# Altium PCB 大风车第二版.PcbDoc (part 2 of 2)
Units mil, origin at the board's own origin, x right, y up, seen from the top; angles counter-clockwise.
Board outline 3937.01 x 3937.01 mil, 2 copper layers (Top Layer, Bottom Layer); 147 components, 109 nets, 496 pads, 837 vias.
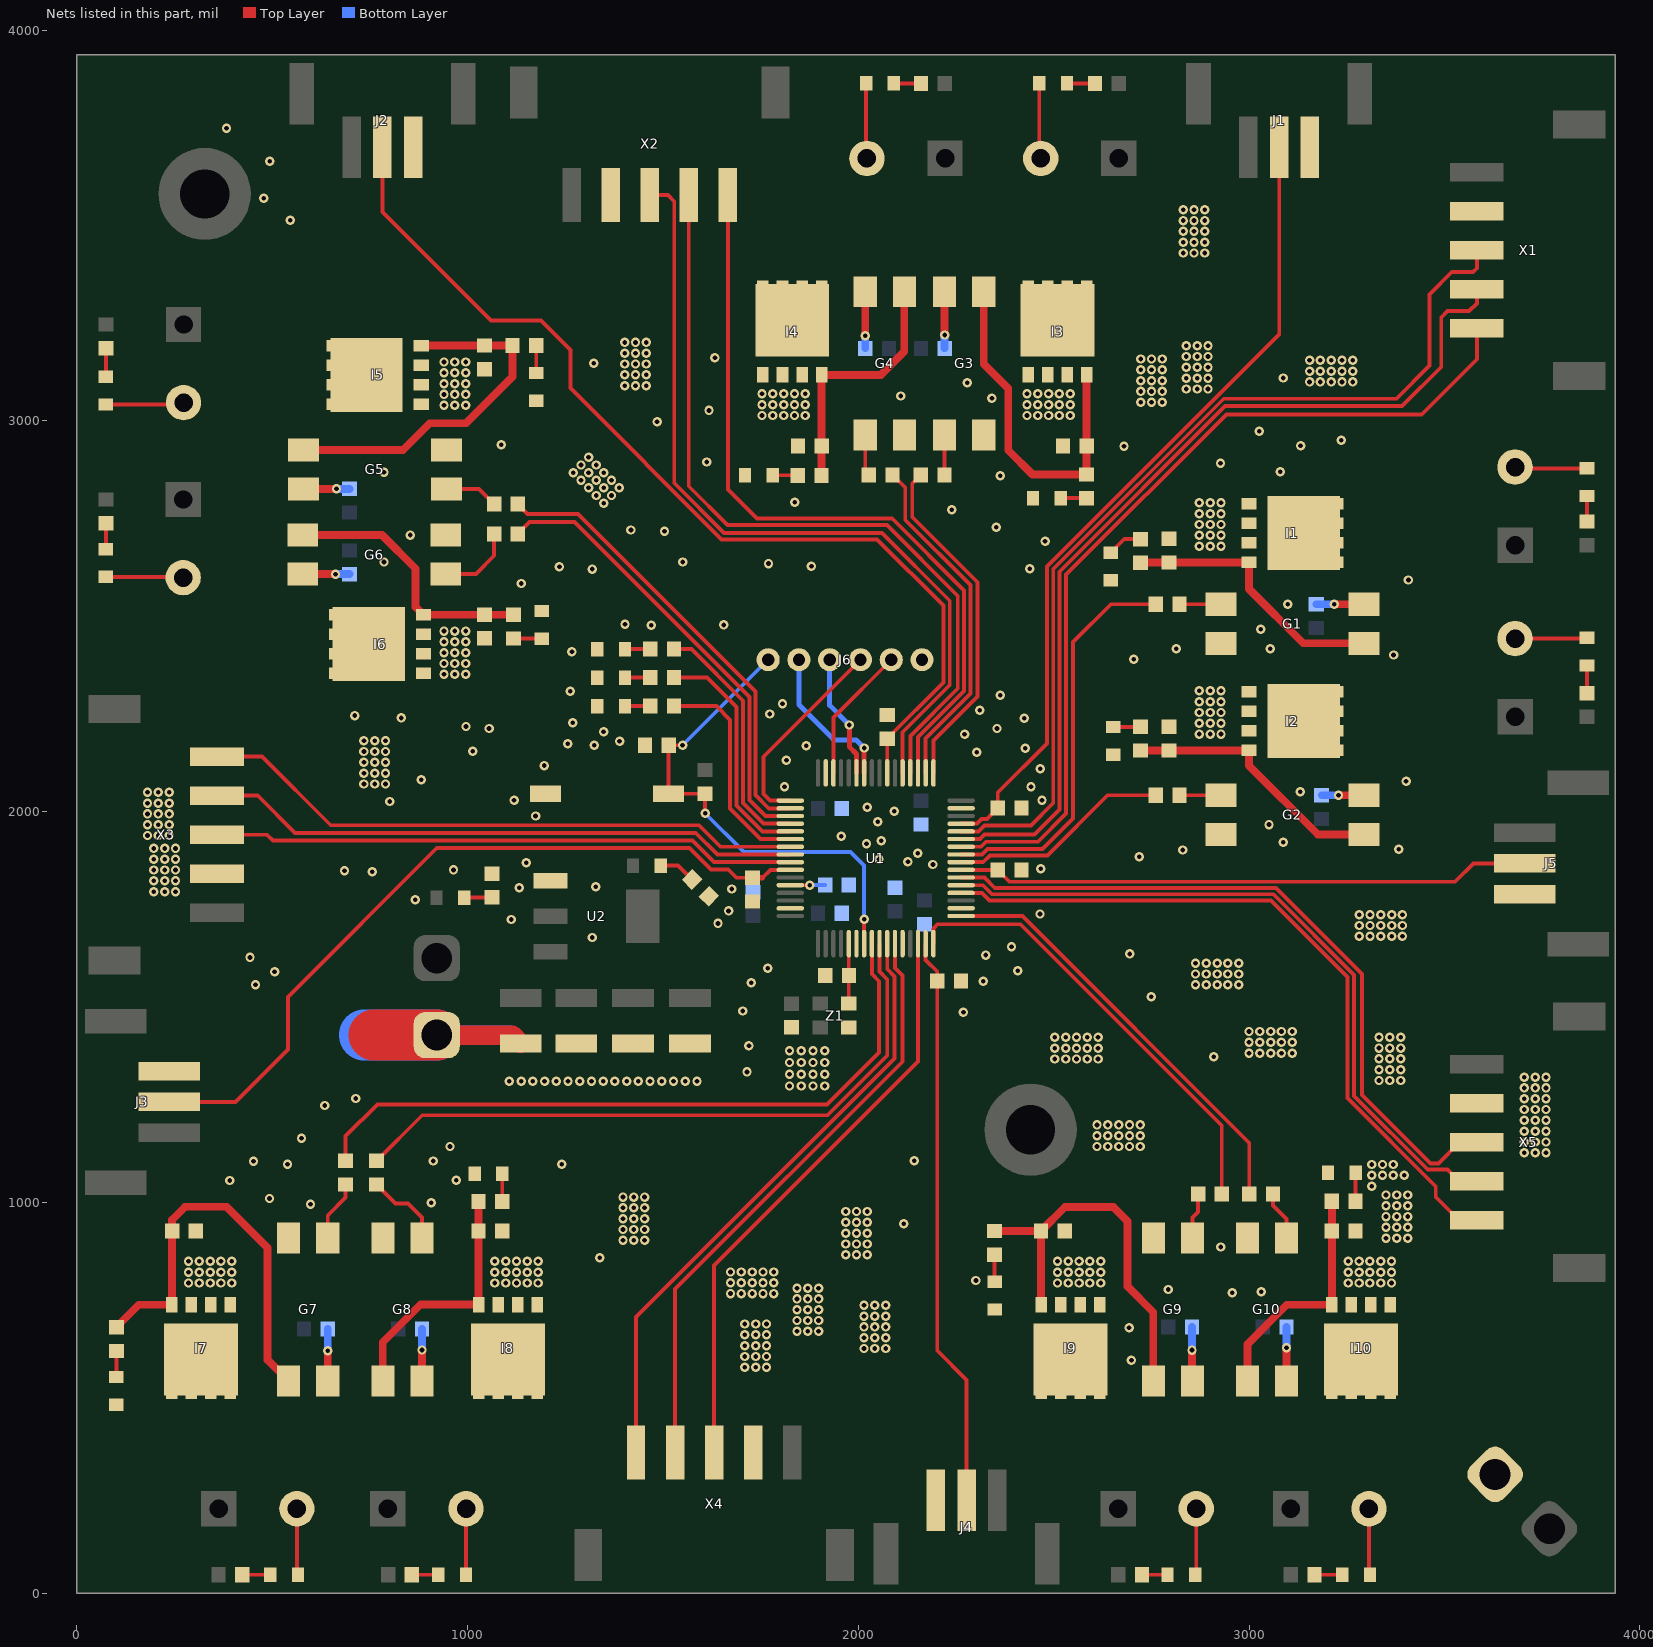
[diagram p2: the nets of this part, all layers, seen from the top]

## Via types
v1: diameter 24, hole 12, Top Layer to Bottom Layer, tented both sides, 834 vias
v2: diameter 48, hole 24, Top Layer to Bottom Layer, tented both sides, 3 vias

## Nets (pads, with @x,y where several pads share a name; then routed paths per layer and width w, separated by ;. In a path a pad name is that pad's centre, name@x,y a point inside that pad or via, vN(x,y) a via of type N, cw(c..) or ccw(c..) an arc to the next point about the centre after c; other vN are vias at no path point) (continued)
GND: C1.2 C2.2 C3.2 C4.1 C5.1 C6.1 C7.1 C8.1 C9.1 C10.2 C11.2 C12.2 C18.1 C19.1 C20.1 C21.1 C22.1 C23.1 D3.2 D4.2 D5.2 D6.2 D7.2 D8.2 D9.2 D10.2 D11.2 D12.2 D14.2 D15.2 D23.2 G1.2 G2.2 G3.2 G4.2 G5.2 G6.2 G7.2 G8.2 G9.2 G10.2 I1.S I2.S I3.S I4.S I5.S I6.S I7.S I8.S I9.S I10.S J1.3 J2.3 J3.3 J4.3 J5.3 J6.1 P1.2 P2.2 R1.2 R2.1 R3.2 R14.1 R15.1 R22.1 R23.1 R27.1 R31.1 R38.1 R39.1 R46.1 R47.1 U1.6 U1.12 U1.18 U1.31 U1.47 U1.63 U2.1 X1.2 X2.2 X3.2 X4.2 X5.2 Y1.1 Z1.2 | length 766.8
  Top Layer w50: P1.2@921.03,1428.24 1114.69,1428.24 C4.1@1136,1406.93
  Top Layer w130: 760.76,1428.24 P1.2@921.03,1428.24
  Bottom Layer w50: P1.2@921.03,1428.24 1107.76,1428.24 1115.01,1421
  Bottom Layer w130: 735.25,1428.24 P1.2@921.03,1428.24
  other v1: 1709.67,577.96 1737.34,577.96 1765.01,577.96 2699,596 1709.67,605.63 1737.34,605.63 1765.01,605.63 2014.67,625.96 2042.33,625.96 2070,625.96 1709.67,633.3 1737.34,633.3 1765.01,633.3 2014.67,653.63 2042.33,653.63 2070,653.63 1709.67,660.96 1737.34,660.96 1765.01,660.96 1843.01,670 1870.67,670 1898.34,670 2693,679 2014.67,681.3 2042.33,681.3 2070,681.3 1709.67,688.63 1737.34,688.63 1765.01,688.63 1843.01,697.67 1870.67,697.67 1898.34,697.67 2014.67,708.96 2042.33,708.96 2070,708.96 1843.01,725.33 1870.67,725.33 1898.34,725.33 2014.67,736.63 2042.33,736.63 2070,736.63 1843.01,753 1870.67,753 1898.34,753 1672.97,766.63 1700.64,766.63 1728.3,766.63 1755.97,766.63 1783.64,766.63 2957,769 3031,771 2793,777 1843.01,780.67 1870.67,780.67 1898.34,780.67 285.68,793.67 313.35,793.67 341.02,793.67 368.68,793.67 396.35,793.67 1069.68,793.67 1097.35,793.67 1125.02,793.67 1152.68,793.67 1180.35,793.67 1672.97,794.3 1700.64,794.3 1728.3,794.3 1755.97,794.3 1783.64,794.3 2509.68,793.67 2537.35,793.67 2565.02,793.67 2592.68,793.67 2620.35,793.67 3254,793.67 3281.67,793.67 3309.33,793.67 3337,793.67 3364.67,793.67 2301,800 285.68,821.33 313.35,821.33 341.02,821.33 368.68,821.33 396.35,821.33 1069.68,821.33 1097.35,821.33 1125.02,821.33 1152.68,821.33 1180.35,821.33 2509.68,821.33 2537.35,821.33 2565.02,821.33 2592.68,821.33 2620.35,821.33 3254,821.33 3281.67,821.33 3309.33,821.33 3337,821.33 3364.67,821.33 1672.97,821.96 1700.64,821.96 1728.3,821.96 1755.97,821.96 1783.64,821.96 285.68,849 313.35,849 341.02,849 368.68,849 396.35,849 1069.68,849 1097.35,849 1125.02,849 1152.68,849 1180.35,849 2509.68,849 2537.35,849 2565.02,849 2592.68,849 2620.35,849 3254,849 3281.67,849 3309.33,849 3337,849 3364.67,849 1338,858 1967.67,865.96 1995.34,865.96 2023.01,865.96 2928,886 1967.67,893.63 1995.34,893.63 2023.01,893.63 1397.67,902.96 1425.34,902.96 1453.01,902.96 3350.63,908.37 3378.3,908.37 3405.96,908.37 1967.67,921.3 1995.34,921.3 2023.01,921.3 1397.67,930.63 1425.34,930.63 1453.01,930.63 3350.63,936.04 3378.3,936.04 3405.96,936.04 2116,945 1967.67,948.96 1995.34,948.96 2023.01,948.96 1397.67,958.3 1425.34,958.3 1453.01,958.3 3350.63,963.7 3378.3,963.7 3405.96,963.7 1967.67,976.63 1995.34,976.63 2023.01,976.63 1397.67,985.96 1425.34,985.96 1453.01,985.96 3350.63,991.37 3378.3,991.37 3405.96,991.37 598,995 907,999 493,1010 1397.67,1013.63 1425.34,1013.63 1453.01,1013.63 3350.63,1019.04 3378.3,1019.04 3405.96,1019.04 3313.93,1041.7 391,1056 971,1057 3313.93,1069.37 3341.59,1069.37 3369.26,1069.37 3396.93,1069.37 3313.93,1097.04 3341.59,1097.04 3369.26,1097.04 539,1098 1241,1098 452,1105 912,1106 2143,1107 3704.67,1127 3732.34,1127 3760.01,1127 955,1143 2610.97,1143 2638.64,1143 2666.3,1143 2693.97,1143 2721.64,1143 3704.67,1154.67 3732.34,1154.67 3760.01,1154.67 575,1164 2610.97,1170.67 2638.64,1170.67 2666.3,1170.67 2693.97,1170.67 2721.64,1170.67 3704.67,1182.33 3732.34,1182.33 3760.01,1182.33 2610.97,1198.33 2638.64,1198.33 2666.3,1198.33 2693.97,1198.33 2721.64,1198.33 3704.67,1210 3732.34,1210 3760.01,1210 3704.67,1237.67 3732.34,1237.67 3760.01,1237.67 634,1248 3704.67,1265.33 3732.34,1265.33 3760.01,1265.33 714,1266 3704.67,1293 3732.34,1293 3760.01,1293 1824.01,1298 1854.01,1298 1884.01,1298 1914.01,1298 1107.01,1310 1137.01,1310 1167.01,1310 1197.01,1310 1227.01,1310 1257.01,1310 1287.01,1310 1317.01,1310 1347.01,1310 1377.01,1310 1407.01,1310 1437.01,1310 1467.01,1310 1497.01,1310 1527.01,1310 1557.01,1310 1587.01,1310 3332.67,1311.96 3360.34,1311.96 3388.01,1311.96 3704.67,1320.67 3732.34,1320.67 3760.01,1320.67 1824.01,1328 1854.01,1328 1884.01,1328 1914.01,1328 1715.01,1334 3332.67,1339.63 3360.34,1339.63 3388.01,1339.63 1824.01,1358 1854.01,1358 1884.01,1358 1914.01,1358 2503,1367 2530.67,1367 2558.33,1367 2586,1367 2613.67,1367 3332.67,1367.3 3360.34,1367.3 3388.01,1367.3 2910,1373 2999.97,1382 3027.64,1382 3055.3,1382 3082.97,1382 3110.64,1382 1824.01,1388 1854.01,1388 1884.01,1388 1914.01,1388 2503,1394.67 2530.67,1394.67 2558.33,1394.67 2586,1394.67 2613.67,1394.67 3332.67,1394.96 3360.34,1394.96 3388.01,1394.96 1720.01,1401 2999.97,1409.67 3027.64,1409.67 3055.3,1409.67 3082.97,1409.67 3110.64,1409.67 2503,1422.33 2530.67,1422.33 2558.33,1422.33 2586,1422.33 2613.67,1422.33 3332.67,1422.63 3360.34,1422.63 3388.01,1422.63 2999.97,1437.33 3027.64,1437.33 3055.3,1437.33 3082.97,1437.33 3110.64,1437.33 2269.01,1487 1704.01,1490 2750,1526 457,1557 2862.97,1557 2890.64,1557 2918.3,1557 2945.97,1557 2973.64,1557 1726.01,1562 2320.01,1566 2862.97,1584.67 2890.64,1584.67 2918.3,1584.67 2945.97,1584.67 2973.64,1584.67 506,1590 2408.01,1593 1768.01,1599 2862.97,1612.33 2890.64,1612.33 2918.3,1612.33 2945.97,1612.33 2973.64,1612.33 443,1627 2326.01,1633 2695,1636 2392.01,1654 1319,1678 3281.97,1681 3309.64,1681 3337.3,1681 3364.97,1681 3392.64,1681 3281.97,1708.67 3309.64,1708.67 3337.3,1708.67 3364.97,1708.67 3392.64,1708.67 1641.01,1714 1112,1724 3281.97,1736.33 3309.64,1736.33 3337.3,1736.33 3364.97,1736.33 3392.64,1736.33 2465.01,1738 1668.01,1746 866,1775 197,1795.37 224.67,1795.37 252.33,1795.37 1676.01,1802 1132,1805 1328,1808 197,1823.04 224.67,1823.04 252.33,1823.04 756,1846 685,1849 197,1850.7 224.67,1850.7 252.33,1850.7 964,1851 2467.01,1854 2191.01,1865 1150,1869 2127.01,1872 197,1878.37 224.67,1878.37 252.33,1878.37 2053.01,1878 2719,1885 2152.01,1894 2830,1902 3383,1904 197,1906.04 224.67,1906.04 252.33,1906.04 2021.01,1918 3088,1922 2059.01,1926 1956.01,1937 180.67,1938.96 208.33,1938.96 236,1938.96 180.67,1966.63 208.33,1966.63 236,1966.63 3051,1967 2050.01,1974 1174.01,1989 180.67,1994.3 208.33,1994.3 236,1994.3 2092.01,2001 2023.01,2011 180.67,2021.96 208.33,2021.96 236,2021.96 801,2026 1119.01,2029 2470.01,2029 180.67,2049.63 208.33,2049.63 236,2049.63 3131,2051 1811.01,2064 2442.01,2064 734.67,2070.96 762.33,2070.96 790,2070.96 3402,2078 881,2082 734.67,2098.63 762.33,2098.63 790,2098.63 2466.01,2110 1196.01,2118 734.67,2126.3 762.33,2126.3 790,2126.3 1816.01,2132 2303.01,2152 734.67,2153.96 762.33,2153.96 790,2153.96 1013,2155 2427.01,2162 1867.01,2169 1324.01,2170 1256.01,2174 1389.01,2180 734.67,2181.63 762.33,2181.63 790,2181.63 2272.01,2198 2873,2198.68 2900.67,2198.68 2928.33,2198.68 1348.01,2205 1055,2213 2355.01,2213 996,2218 2873,2226.35 2900.67,2226.35 2928.33,2226.35 1269.01,2228 2425.01,2239 830,2240 711,2246 1773.01,2250 2873,2254.02 2900.67,2254.02 2928.33,2254.02 2311.01,2260 1806.01,2276 2873,2281.68 2900.67,2281.68 2928.33,2281.68 2363.01,2298 1263.01,2308 2873,2309.35 2900.67,2309.35 2928.33,2309.35 939.67,2351.65 967.34,2351.65 995.01,2351.65 939.67,2379.32 967.34,2379.32 995.01,2379.32 2705,2390 3370,2401 939.67,2406.98 967.34,2406.98 995.01,2406.98 1267.01,2409 2814,2417 3054,2417 939.67,2434.65 967.34,2434.65 995.01,2434.65 939.67,2462.32 967.34,2462.32 995.01,2462.32 3030,2467 1470.01,2477 1656.01,2478 1403.01,2480 3099,2531 1137,2584 3408,2593 1319,2621 2439,2622 1235,2627 1880,2628 1770,2635 786,2639 1551,2639 2873,2679.68 2900.67,2679.68 2928.33,2679.68 2478,2692 2873,2707.35 2900.67,2707.35 2928.33,2707.35 853,2708 1504,2718 1418,2721 2353,2728 2873,2735.02 2900.67,2735.02 2928.33,2735.02 2873,2762.68 2900.67,2762.68 2928.33,2762.68 2239,2773 1348.8,2789.64 2873,2790.35 2900.67,2790.35 2928.33,2790.35 1837,2792 1329.24,2809.2 1368.36,2809.2 1309.67,2828.77 1348.8,2828.77 1387.93,2828.77 1290.11,2848.33 1329.24,2848.33 1368.36,2848.33 2363,2860 1270.55,2867.89 1309.67,2867.89 1348.8,2867.89 786,2869 3080,2870 1290.11,2887.46 1329.24,2887.46 2927,2892 1612,2895 1309.67,2907.02 2680,2935 3132,2937 1086,2939 3236,2951 3026,2974 1485,2998 1753.66,3014 1781.32,3014 1808.99,3014 1836.66,3014 1864.32,3014 2431.66,3014 2459.32,3014 2486.99,3014 2514.66,3014 2542.32,3014 1618,3027 939.67,3040.33 967.34,3040.33 995.01,3040.33 1753.66,3041.67 1781.32,3041.67 1808.99,3041.67 1836.66,3041.67 1864.32,3041.67 2431.66,3041.67 2459.32,3041.67 2486.99,3041.67 2514.66,3041.67 2542.32,3041.67 2722.67,3047.96 2750.33,3047.96 2778,3047.96 2342,3058 2109,3064 939.67,3068 967.34,3068 995.01,3068 1753.66,3069.33 1781.32,3069.33 1808.99,3069.33 1836.66,3069.33 1864.32,3069.33 2431.66,3069.33 2459.32,3069.33 2486.99,3069.33 2514.66,3069.33 2542.32,3069.33 2722.67,3075.63 2750.33,3075.63 2778,3075.63 2839.67,3081.96 2867.33,3081.96 2895,3081.96 1402.01,3090.37 1429.67,3090.37 1457.34,3090.37 939.67,3095.67 967.34,3095.67 995.01,3095.67 2279,3098 3154.97,3100 3182.64,3100 3210.3,3100 3237.97,3100 3265.64,3100 2722.67,3103.3 2750.33,3103.3 2778,3103.3 2839.67,3109.63 2867.33,3109.63 2895,3109.63 3088,3110 1402.01,3118.04 1429.67,3118.04 1457.34,3118.04 939.67,3123.33 967.34,3123.33 995.01,3123.33 3154.97,3127.67 3182.64,3127.67 3210.3,3127.67 3237.97,3127.67 3265.64,3127.67 2722.67,3130.96 2750.33,3130.96 2778,3130.96 2839.67,3137.3 2867.33,3137.3 2895,3137.3 1402.01,3145.7 1429.67,3145.7 1457.34,3145.7 1323,3148 939.67,3151 967.34,3151 995.01,3151 3154.97,3155.33 3182.64,3155.33 3210.3,3155.33 3237.97,3155.33 3265.64,3155.33 2722.67,3158.63 2750.33,3158.63 2778,3158.63 1633,3162 2839.67,3164.96 2867.33,3164.96 2895,3164.96 1402.01,3173.37 1429.67,3173.37 1457.34,3173.37 2839.67,3192.63 2867.33,3192.63 2895,3192.63 1402.01,3201.04 1429.67,3201.04 1457.34,3201.04 2831.67,3429.96 2859.33,3429.96 2887,3429.96 2831.67,3457.63 2859.33,3457.63 2887,3457.63 2831.67,3485.3 2859.33,3485.3 2887,3485.3 2831.67,3512.96 2859.33,3512.96 2887,3512.96 546,3514 2831.67,3540.63 2859.33,3540.63 2887,3540.63 478,3570 494,3665 383,3749
NetD1_2: D1.2 R3.1 | length 70.9
  Top Layer w10: D1.2@991.44,1780 1061.32,1780 R3.1@1062.01,1780.69
NetD2_2: D2.2 R2.2 | length 94.9
  Top Layer w10: D2.2@1494.44,1862 1539.01,1862 R2.2@1574.57,1826.44
NetD3_1: D3.1 R5.1 | length 64.7
  Top Layer w10: D3.1@1403.01,2416 R5.1@1467.69,2416
NetD4_1: D4.1 R6.1 | length 64.7
  Top Layer w10: D4.1@1403.01,2343 R6.1@1467.69,2343
NetD5_1: D5.1 R7.1 | length 64.7
  Top Layer w10: D5.1@1403.01,2270 R7.1@1467.69,2270
NetD6_1: D6.1 R12.1 | length 90.3
  Top Layer w10: D6.1@2646.01,2663 2680.64,2697.63 R12.1@2722.01,2697.63
NetD7_1: D7.1 R13.1 | length 69.1
  Top Layer w10: D7.1@2653.01,2217 2721.69,2217 R13.1@2722.01,2217.31
NetD8_1: D8.1 R20.1 | length 66.5
  Top Layer w10: D8.1@2518.01,2802 2518.38,2802.37 R20.1@2584.32,2802.37
NetD9_1: D9.1 R21.1 | length 64.4
  Top Layer w10: D9.1@1781.01,2861 R21.1@1845.38,2861
NetD10_1: D10.1 R26.1 | length 70.2
  Top Layer w10: R26.1@1175.64,3193 1175.64,3123.37 D10.1@1176.01,3123
NetD11_1: D11.1 R30.1 | length 73.2
  Top Layer w10: R30.1@1117.01,2443.37 D11.1@1189.64,2443.37
  Top Layer w20: D11.1@1189.64,2443.37 D11.1@1190.01,2443
NetD12_1: D12.1 R37.1 | length 71.2
  Top Layer w10: R37.1@1088.63,1002 1088.63,1072.63 D12.1@1089,1073
NetD13_1: D13.1 R36.1 | length 71.7
  Top Layer w10: R36.1@423.31,47 D13.1@495,47
NetD13_2: D13.2 I7.D P9.2 | length 170.2
  Top Layer w10: P9.2@563,216 563,49.87 D13.2@565.87,47
NetD14_1: D14.1 R45.1 | length 73.2
  Top Layer w10: R45.1@3272.63,1003 3273,1003.37 D14.1@3273,1076
NetD15_1: D15.1 R44.1 | length 69.4
  Top Layer w10: D15.1@2349,797 R44.1@2349,866.37
NetD16_1: D16.1 R48.1 | length 65.4
  Top Layer w10: R48.1@3865.01,2742.63 D16.1@3865.01,2808
NetD16_2: D16.2 I1.D P3.2 | length 185.3
  Top Layer w10: P3.2@3681,2882 3684.13,2878.87 D16.2@3865.01,2878.87
NetD17_1: D17.1 R49.1 | length 70.7
  Top Layer w10: R49.1@3865.01,2303.31 D17.1@3865.01,2374
NetD17_2: D17.2 I2.D P4.2 | length 184.8
  Top Layer w10: P4.2@3681,2443 3863.14,2443 D17.2@3865.01,2444.87
NetD18_1: D18.1 R50.1 | length 71.7
  Top Layer w10: D18.1@2534.01,3864 R50.1@2605.69,3864
NetD18_2: D18.2 I3.D P5.2 | length 193.6
  Top Layer w10: D18.2@2463.14,3864 2463.14,3675.86 P5.2@2467,3672
NetD19_1: D19.1 R51.1 | length 69.7
  Top Layer w10: D19.1@2091.01,3864 R51.1@2160.69,3864
NetD19_2: D19.2 I4.D P6.2 | length 192.8
  Top Layer w10: D19.2@2020.14,3864 2020.14,3673.86 P6.2@2022,3672
NetD20_1: D20.1 R52.1 | length 73.4
  Top Layer w10: D20.1@74.01,3113 R52.1@74.01,3186.37
NetD20_2: D20.2 I5.D P7.2 | length 201
  Top Layer w10: D20.2@74.01,3042.13 268.13,3042.13 P7.2@273,3047
NetD21_1: D21.1 R53.1 | length 66.4
  Top Layer w10: D21.1@74.01,2672 R53.1@74.01,2738.37
NetD21_2: D21.2 I6.D P8.2 | length 198.9
  Top Layer w10: D21.2@74.01,2601.13 269.87,2601.13 P8.2@272,2599
NetD22_1: D22.1 R54.1 | length 67.7
  Top Layer w10: R54.1@857.31,47 D22.1@925,47
NetD22_2: D22.2 I8.D P10.2 | length 169.1
  Top Layer w10: D22.2@995.87,47 996,47.13 P10.2@996,216
NetD23_1: D23.1 R55.1 | length 66.7
  Top Layer w10: D23.1@101,553 R55.1@101,619.69
NetD24_1: D24.1 R56.1 | length 65.6
  Top Layer w10: R56.1@2726,47 D24.1@2791.57,47
NetD24_2: D24.2 I9.D P11.2 | length 170.1
  Top Layer w10: D24.2@2862.43,47 2865,49.57 P11.2@2865,216
NetD25_1: D25.1 R57.1 | length 71.4
  Top Layer w10: R57.1@3167.63,47 D25.1@3239,47
NetD25_2: D25.2 I10.D P12.2 | length 170.2
  Top Layer w10: P12.2@3307,216 3307,49.87 D25.2@3309.87,47
NetG1_1: G1.1 R10.2 | length 106
  Top Layer w10: R10.2@2822.01,2531 G1.1@2928,2531
NetG1_3: G1.3 I1.G R12.2 R14.2 | length 698.1
  Top Layer w20: R12.2@2722.01,2637 2723.01,2638 I1.G@3000.02,2638 3000.02,2569.99 3139.01,2431 G1.3@3294.14,2431
NetG1_4: G1.4 R8.1 | length 122.1
  Top Layer w20: v1(3218.01,2531) G1.4@3294.14,2531
  Bottom Layer w20: R8.1@3172.01,2531 v1(3218.01,2531)
NetG2_1: G2.1 R11.2 | length 106
  Top Layer w10: R11.2@2822.01,2042 G2.1@2928,2042
NetG2_3: G2.3 I2.G R13.2 R15.2 | length 684.2
  Top Layer w20: R13.2@2722.01,2156.68 2722.32,2157 I2.G@3000.02,2157 3000.02,2117.99 3176.01,1942 G2.3@3294.14,1942
NetG2_4: G2.4 R9.1 | length 108.1
  Top Layer w20: v1(3229.01,2042) G2.4@3294.14,2042
  Bottom Layer w20: R9.1@3186.01,2042 v1(3229.01,2042)
NetG3_1: G3.1 R18.2 | length 102.5
  Top Layer w10: R18.2@2220.64,2862 2220.64,2963.96 G3.1@2221.04,2964.37
NetG3_3: G3.3 I3.G R20.2 R22.2 | length 912.9
  Top Layer w20: G3.3@2321.04,3330.51 2321.04,3145.96 2384.01,3083 2384.01,2925 2446.01,2863 R20.2@2584.32,2863 R22.2@2584.32,2936 2584.32,3117.33 I3.G@2585,3118.01
NetG3_4: G3.4 R16.1 | length 144.5
  Top Layer w20: v1(2221.01,3220) G3.4@2221.04,3330.51 G3.4@2221.04,3330.51
  Bottom Layer w20: R16.1@2221.01,3186 v1(2221.01,3220)
NetG4_1: G4.1 R19.2 | length 106.2
  Top Layer w10: G4.1@2017.82,2964.37 2017.82,2871.19 R19.2@2027.01,2862
NetG4_3: G4.3 I4.G R21.2 R23.2 | length 646.6
  Top Layer w20: R21.2@1906.01,2861 1906.01,2935.68 R23.2@1906.32,2936 1906,2936.32 I4.G@1906,3118.01 2058,3118.01 2117.82,3177.81 G4.3@2117.82,3330.51
NetG4_4: G4.4 R17.1 | length 144.6
  Top Layer w20: G4.4@2017.82,3330.51 2018.01,3330.32 v1(2018.01,3218)
  Bottom Layer w20: R17.1@2018.01,3186 v1(2018.01,3218)
NetG5_1: G5.1 R25.2 | length 138.2
  Top Layer w10: G5.1@946,2826 1029.01,2826 R25.2@1068.01,2787
NetG5_3: G5.3 I5.G R26.2 R27.2 | length 926.6
  Top Layer w20: G5.3@579.86,2926 835.01,2926 903.01,2994 996.01,2994 1115.01,3113 R26.2@1115.01,3193 R27.2@1043.01,3193 I5.G@880.99,3193
NetG5_4: G5.4 R24.1 | length 118.3
  Top Layer w20: G5.4@579.86,2826 580.17,2826.31 v1(664.32,2826.31)
  Bottom Layer w20: v1(664.32,2826.31) R24.1@698.01,2826.31
NetG6_1: G6.1 R29.2 | length 199.3
  Top Layer w10: G6.1@944.14,2608 1021.01,2608 1068.01,2655 R29.2@1068.01,2711
NetG6_3: G6.3 I6.G R30.2 R31.2 | length 680.9
  Top Layer w20: G6.3@578,2708 781.01,2708 867.01,2622 867.01,2523.98 I6.G@886.99,2504 R30.2@1117.01,2504
NetG6_4: G6.4 R28.1 | length 120
  Top Layer w20: G6.4@578,2608 v1(662.01,2608)
  Bottom Layer w20: v1(662.01,2608) R28.1@698.01,2608
NetG7_1: G7.1 R34.2 | length 155.6
  Top Layer w10: G7.1@642,909.14 642,966.99 688,1012.99 R34.2@688,1045.68
NetG7_3: G7.3 I7.G R38.2 R55.2 | length 1048.8
  Top Layer w20: R55.2@101,680.32 158.67,737.99 I7.G@243,737.99 243.68,738.67 R38.2@243.68,927 243.68,955.68 277.01,989 383.01,989 488.01,884 488.01,596.99 G7.3@542,543
NetG7_4: G7.4 R32.1 | length 133
  Top Layer w20: G7.4@642,543 v1(642.01,620)
  Bottom Layer w20: v1(642.01,620) R32.1@642.01,676
NetG8_1: G8.1 R35.2 | length 202.9
  Top Layer w10: R35.2@767,1045.68 815.68,997 847.01,997 883,961.01 G8.1@883,909.14
NetG8_3: G8.3 I8.G R37.2 R39.2 | length 648.6
  Top Layer w20: G8.3@783,543 783,641.99 880.01,739 1026.99,739 I8.G@1028,737.99 R37.2@1028,1002
NetG8_4: G8.4 R33.1 | length 133.1
  Top Layer w20: G8.4@883,543 883.32,543.32 v1(883.32,622.31)
  Bottom Layer w20: v1(883.32,622.31) R33.1@883.32,676
NetG9_1: G9.1 R42.2 | length 117.9
  Top Layer w10: G9.1@2855,909.14 2855,960.99 2869.69,975.68 R42.2@2869.69,1021
NetG9_3: G9.3 I9.G R44.2 R46.2 | length 1005.7
  Top Layer w20: R44.2@2349,927 R46.2@2467.68,927 ; I9.G@2468,737.99 2467.68,738.31 R46.2@2467.68,927 ; G9.3@2755,543 2755,719.01 2689.01,785 2689.01,952 2653.01,988 2528.68,988 R46.2@2467.68,927
NetG9_4: G9.4 R40.1 | length 138.4
  Top Layer w20: v1(2854.01,622) 2854.01,543.99 G9.4@2855,543
  Bottom Layer w20: v1(2854.01,622) R40.1@2854.01,681
NetG10_1: G10.1 R43.2 | length 126.2
  Top Layer w10: R43.2@3061.32,1021 3061.32,991.69 3096,957.01 G10.1@3096,909.14
NetG10_3: G10.3 I10.G R45.2 R47.2 | length 616.8
  Top Layer w20: G10.3@2996,543 2996,636.99 3097,737.99 I10.G@3212,737.99 R47.2@3212,927 R45.2@3212,1003
NetG10_4: G10.4 R41.1 | length 138
  Top Layer w20: G10.4@3096,543 v1(3096.01,628)
  Bottom Layer w20: v1(3096.01,628) R41.1@3096.01,681
NetR1_1: R1.1 U1.60 | length 89.1
  Top Layer w10: U1.60@1826,1811.83 1875.84,1811.83 v1(1876.01,1812)
  Bottom Layer w10: v1(1876.01,1812) R1.1@1915.01,1812
NRST: C12.1 J6.6 R4.1 U1.7 Y1.2 | length 1274.9
  Top Layer w10: v1(1550.27,2170) C12.1@1514.64,2170.01 1514.64,2046.16 1514.8,2046 R4.1@1608.01,2046 v1(1608.01,1996) ; U1.7@2014.97,1662.23 v1(2014.97,1724.96)
  Bottom Layer w10: v1(1550.27,2170) J6.6@1769.27,2389 ; v1(1608.01,1996) 1707.01,1897 1980.01,1897 2014.97,1862.04 v1(2014.97,1724.96)
OSN_IN: C10.1 U1.5 Z1.3 | length 153.4
  Top Layer w10: U1.5@1975.6,1662.23 1975.6,1509.41 Z1.3@1976.01,1509
"PA0 DIN1": U1.14 X4.3 | length 1518.4
  Top Layer w10: X4.3@1631,360 1631,838.99 2152.77,1360.76 U1.14@2152.77,1662.23
"PA1 DZ1": C22.2 J4.2 U1.15 | length 1468.4
  Top Layer w10: U1.15@2172.45,1662.23 2172.45,1620.56 2202.01,1591 C22.2@2202.01,1567 2202.01,621 2277.37,545.64 J4.2@2277.37,237.34
"PA2 DT2_1": R42.1 U1.16 | length 1170.7
  Top Layer w10: U1.16@2192.14,1662.23 2192.14,1701.13 2203.01,1712 2415.01,1712 2930.32,1196.69 R42.1@2930.32,1021
"PA3 DT2_2": R43.1 U1.17 | length 1109.6
  Top Layer w10: U1.17@2263,1733.09 2419.92,1733.09 3000.69,1152.32 R43.1@3000.69,1021
"PA4 CLK2": U1.20 X5.5 | length 1864.4
  Top Layer w10: U1.20@2263,1792.15 2316.6,1792.15 2336.04,1772.71 3056.04,1772.71 3252.01,1576.75 3252.01,1266.75 3478.01,1040.75 3478.01,1014 3538.01,954 X5.5@3583.01,954
"PA5 CS2": U1.21 X5.4 | length 1815.5
  Top Layer w10: U1.21@2263,1811.83 2319.55,1811.83 2342.67,1788.71 3062.67,1788.71 3269.01,1582.37 3269.01,1272.37 3457.38,1084 3508.01,1084 3538.01,1054 X5.4@3583.01,1054
"PA6 DIN2": U1.22 X5.3 | length 1827
  Top Layer w10: U1.22@2263,1831.52 2322.49,1831.52 2349.3,1804.71 3069.3,1804.71 3289.01,1585 3289.01,1275 3464.01,1100 3485.01,1100 3539.01,1154 X5.3@3583.01,1154
"PA7 DZ2": C23.2 J5.2 U1.23 | length 1474.8
  Top Layer w10: U1.23@2263,1851.2 2356.81,1851.2 C23.2@2357.01,1851 2387.3,1820.71 3527.72,1820.71 3574.75,1867.74 J5.2@3705.67,1867.74
"PA9 1_TX": J6.5 U1.42 | length 391.8
  Top Layer w13: U1.42@2014.97,2099.23 v1(2015.01,2163) v1(2015.01,2163)
  Bottom Layer w13: J6.5@1848.01,2389 1848.01,2274 1938.01,2184 1994.01,2184 v1(2015.01,2163)
"PA10 1_RX": J6.4 U1.43 | length 318.2
  Top Layer w13: v1(1977.01,2222) 1977.01,2166 1995.29,2147.72 U1.43@1995.29,2099.23
  Bottom Layer w13: J6.4@1926.75,2389 1926.75,2272.26 v1(1977.01,2222)
"PA13 SWDIO": J6.2 U1.46 | length 351.1
  Top Layer w10: U1.46@1936.23,2099.23 1936.23,2241 J6.2@2084.23,2389
"PA14 SWCLK": J6.3 U1.49 | length 522.8
  Top Layer w10: U1.49@1826,2028.37 1773.64,2028.37 1757.01,2045 1757.01,2140.52 J6.3@2005.49,2389
"PA15 DT5_1": R25.1 U1.50 | length 1175.4
  Top Layer w10: R25.1@1128.64,2787 1153.42,2762.21 1282.79,2762.21 1737.01,2308 1737.01,2042.37 1770.7,2008.68 U1.50@1826,2008.68
"PB0 CLK3": U1.26 X1.5 | length 2274.3
  Top Layer w10: U1.26@2263,1910.26 2314.01,1910.26 2326.75,1923 2460.01,1923 2532.01,1995 2532.01,2607 2942.01,3017 3442.01,3017 3583.01,3158 X1.5@3583.01,3237
"PB1 CS3": U1.27 X1.4 | length 2354.5
  Top Layer w10: U1.27@2263,1929.94 2311.07,1929.94 2323.13,1942 2451.01,1942 2515.01,2006 2515.01,2614.04 2938.97,3038 3392.01,3038 3492.01,3138 3492.01,3265 3508.01,3281 3563.01,3281 3583.01,3301 X1.4@3583.01,3337
"PB2 DIN3": U1.28 X1.3 | length 2420.4
  Top Layer w10: U1.28@2263,1949.63 2307.64,1949.63 2323.01,1965 2442.01,1965 2499.01,2022 2499.01,2620.67 2935.34,3057 3377.01,3057 3462.01,3142 3462.01,3324.08 3518.93,3381 3573.01,3381 3583.01,3391 X1.3@3583.01,3437
"PB3 CLK5": U1.55 X3.5 | length 1562.9
  Top Layer w10: X3.5@358.66,2141 474.01,2141 649.64,1965.37 1592.19,1965.37 1647.3,1910.26 U1.55@1826,1910.26
"PB4 CS5": U1.56 X3.4 | length 1529.6
  Top Layer w10: X3.4@358.66,2041 463.01,2041 558.33,1945.68 1584.03,1945.68 1639.14,1890.57 U1.56@1826,1890.57
"PB5 DIN5": U1.57 X3.3 | length 1496.4
  Top Layer w10: X3.3@358.66,1941 487.01,1941 502.01,1926 1575.88,1926 1630.99,1870.89 U1.57@1826,1870.89
"PB6 DZ5": C21.2 J3.2 U1.58 | length 1978.1
  Top Layer w10: J3.2@236,1257.26 406.27,1257.26 540.01,1391 540.01,1526 921.01,1907 1568.01,1907 1623.12,1851.89 1667.12,1851.89 1688.01,1831 C21.2@1729.01,1831 ; 1755.01,1831 1775.21,1851.2 U1.58@1826,1851.2
  Top Layer w13: C21.2@1729.01,1831 1755.01,1831
"PB10 DZ3": C19.2 J1.2 U1.29 | length 2100.5
  Top Layer w10: U1.29@2263,1969.31 2303.69,1969.31 2315.38,1981 2329.01,1981 C19.2@2357.01,2009 2357.01,2049 2483.01,2175 2483.01,2627.3 3077.27,3221.56 J1.2@3077.27,3700.66
"PB12 DT4_1": R18.1 U1.33 | length 887.6
  Top Layer w10: R18.1@2160.01,2862 2138.01,2840 2138.01,2754 2304.71,2587.29 2304.71,2294.71 2192.14,2182.13 U1.33@2192.14,2099.23
"PB13 DT4_2": R19.1 U1.34 | length 892.6
  Top Layer w10: R19.1@2087.64,2862 2120.07,2829.57 2120.07,2746.57 2286.77,2579.86 2286.77,2302.14 2172.45,2187.81 U1.34@2172.45,2099.23
"PB14 CLK4": U1.35 X2.5 | length 1980.8
  Top Layer w10: X2.5@1666.01,3578 1666.01,2825 1740.97,2750.03 2086.97,2750.03 2270.77,2566.24 2270.77,2308.76 2152.77,2190.76 U1.35@2152.77,2099.23
"PB15 CS4": U1.36 X2.4 | length 2053.3
  Top Layer w10: X2.4@1566.01,3578 1566.01,2833 1665.24,2733.77 2073.24,2733.77 2254.51,2552.5 2254.51,2315.5 2133.08,2194.07 U1.36@2133.08,2099.23
"PC0 DT1_1": R34.1 U1.8 | length 1803.2
  Top Layer w10: R34.1@688,1106.31 688,1169.99 769.01,1251 1920.01,1251 2053.01,1384 2053.01,1566 2034.66,1584.35 U1.8@2034.66,1662.23
"PC1 DT1_2": R35.1 U1.9 | length 1713.1
  Top Layer w10: R35.1@767,1106.31 767.32,1106.31 884.01,1223 1921.01,1223 2074.01,1376 2074.01,1571 2054.34,1590.67 U1.9@2054.34,1662.23
"PC2 CLK1": U1.10 X4.5 | length 1584.3
  Top Layer w10: X4.5@1431,360 1431,706.28 2093.01,1368.28 2093.01,1578 2074.03,1596.98 U1.10@2074.03,1662.23
"PC3 CS1": U1.11 X4.4 | length 1551.3
  Top Layer w10: X4.4@1531,360 1531,777.99 2113.01,1360 2113.01,1581 2093.71,1600.3 U1.11@2093.71,1662.23
"PC4 DT3_2": R11.1 U1.24 | length 569.3
  Top Layer w10: U1.24@2263,1870.89 2319.9,1870.89 2337.01,1888 2484.01,1888 2638.01,2042 R11.1@2761.38,2042
"PC5 DT3_1": R10.1 U1.25 | length 1027.8
  Top Layer w10: U1.25@2263,1890.57 2316.95,1890.57 2330.38,1904 2471.01,1904 2550.01,1983 2550.01,2434 2647.01,2531 R10.1@2761.38,2531
"PC6 DIN4": U1.37 X2.3 | length 2112.8
  Top Layer w10: X2.3@1464.24,3578 X2.3@1466.01,3578 1513.01,3578 1529.01,3562 1529.01,2841.01 1656.75,2713.27 2060.74,2713.27 2234.01,2540 2234.01,2323.99 2113.4,2203.38 U1.37@2113.4,2099.23
"PC8 DZ4": C20.2 J2.2 U1.39 | length 2563.8
  Top Layer w10: J2.2@782.01,3700.66 782.01,3535 1060.01,3257 1188.01,3257 1263.01,3182 1263.01,3084 1650.01,2697 2048.01,2697 2217.74,2527.27 2217.74,2330.73 C20.2@2074.01,2187 U1.39@2074.03,2099.23
"PC10 DT5_2": R29.1 U1.51 | length 1175.9
  Top Layer w10: R29.1@1128.64,2711 1158.64,2741 1274.01,2741 1721.01,2294 1721.01,2030 1762.01,1989 U1.51@1826,1989
"PC11 LED": R5.2 U1.52 | length 636.2
  Top Layer w10: R5.2@1528.32,2416 1573.01,2416 1705.01,2284 1705.01,2022 1757.7,1969.31 U1.52@1826,1969.31
"PC12 LED": R6.2 U1.53 | length 608.2
  Top Layer w10: R6.2@1528.32,2343 1613.01,2343 1688.01,2268 1688.01,2016 1754.38,1949.63 U1.53@1826,1949.63
"PD2 LED": R7.2 U1.54 | length 571.5
  Top Layer w10: R7.2@1528.32,2270 1637.01,2270 1672.01,2235 1672.01,2008 1750.07,1929.94 U1.54@1826,1929.94
pads on no net: J1.0 J2.0 J3.0 J4.0 J5.0 U1.2 U1.3 U1.4 U1.30 U1.38 U1.40 U1.41 U1.44 U1.45 U1.59 U1.61 U1.62 X1.0 X2.0 X3.0 X4.0 X5.0

## Polygon pours and split planes (outlines as drawn)
GND on Top Layer "NONET_L-01_P-001" (solid, remove dead copper, pour order 8): 5.01,3932 3932.01,3932 3932.01,5 5.01,5
GND on Top Layer "NONET_L-01_P-001" (solid, remove dead copper, pour order 0): 809.01,1873.92 809.01,1399.99 931,1278 2130.01,1278 2516.01,1664 2516.01,2291 2254.01,2553 1355.01,2553 1226.01,2424 1226.01,2183 1052.01,2009 908.01,2009
GND on Bottom Layer "NONET_L-01_P-001" (solid, remove dead copper, pour order 4): 809.01,1910 908.01,2009 1052.01,2009 1226.01,2183 1226.01,2424 1353.01,2505 2254.01,2553 2516.01,2291 2516.01,1664 2130.01,1278 908.01,1278 809.01,1377
GND on Bottom Layer "NONET_L-01_P-001" (solid, remove dead copper, pour order 6): 5.01,3932 3932.01,3932 3932.01,5 5.01,5

## Other copper
Top Layer:
  region net NetD13_2: 216.01,697 216.01,462 273.01,405 306.01,405 441.01,270 441.01,138 468.01,111 619.01,111 661.01,153 661.01,359 567.01,453 496.01,453 431.01,518 431.01,697
  region net NetD16_2: 3043.01,2610 3298.01,2610 3466.01,2778 3755.01,2778 3795.01,2818 3795.01,2950 3747.01,2998 3363.01,2998 3177.01,2812 3043.01,2812
  region net NetD17_2: 3039.01,2123 3405.01,2123 3622.01,2340 3736.01,2340 3802.01,2406 3802.01,2556 3520.01,2556 3403.01,2439 3403.01,2388 3355.01,2340 3039.01,2340
  region net NetD18_2: 2610.01,3162 2610.01,3469 2574.01,3505 2574.01,3729 2513.01,3790 2372.01,3790 2372.01,3379 2405.01,3346 2405.01,3162
  region net NetD19_2: 1930.01,3161 1930.01,3385 2130.01,3585 2130.01,3764 2106.01,3788 1934.01,3788 1862.01,3716 1862.01,3577 1861.01,3577 1721.01,3437 1721.01,3161
  region net NetD20_2: 840.01,3018 840.01,3217 814.01,3217 781.01,3217 428.01,3217 354.01,3143 194.01,3143 194.01,3000 227.01,2967 514.01,2967 565.01,3018
  region net NetD21_2: 840.01,2524 570.01,2524 402.01,2692 173.01,2692 150.01,2669 150.01,2520 289.01,2381 427.01,2381 496.01,2312 840.01,2312
  region net NetD22_2: 993.01,695 993.01,459 916.01,382 916.01,174 999.01,111 1024.01,111 1123.01,111 1221.01,209 1220.01,210 1220.01,695
  region net NetD24_2: 2436.01,699 2436.01,433 2485.01,384 2485.01,383 2486.01,383 2557.01,312 2690.01,312 2763.01,239 2763.01,152 2791.01,124 2916.01,124 2967.01,175 2967.01,355 2899.01,423 2731.01,423 2644.01,510 2644.01,699
  region net NetD25_2: 3185.01,698 3185.01,194 3239.01,140 3374.01,140 3407.01,173 3407.01,698
  pour cut-out: 2301,1331 2301,1047 2573,1047 2573,1331
  pour cut-out: 187,3726 187,3442 459,3442 459,3726
  pour cut-out: 852.01,1552.28 852.01,1550 860.82,1550 856.63,1554.2
  pour cut-out: 949,1523 949,1277 950,1277 993,1277 993,1523
  region net 5V: 2939.01,3790 2939.01,3251 3039.01,3251 3039.01,3790
  region net 5V: 3158.01,3372 3241.01,3372 3291,3302.01 3291,3253 3157.01,3253
  region net 5V: 3459.01,1994 3777.01,1994 3799.01,1972 3799.01,1910 3459.01,1910
  region net 5V: 3460.01,1319 3661.01,1319 3661.01,1503 3603.01,1561 3460.01,1561
  region net 5V: 2314.01,539 2314.01,153 2325.01,142 2392.01,142 2411.01,161 2411.01,539
  region net 5V: 1313.01,3712 1172.01,3712 1172.01,3295 1183.01,3284 1251.01,3284 1286.01,3249 1347.01,3249 1347.01,3374 1313.01,3408
  region net 5V: 2032.01,550 2032.01,328 1972.01,268 1806.01,268 1791.42,282.59 1791.42,550
  region net 3.3V: 1807.01,1528 1922.01,1528 1924.01,1526 1924.01,1428 1922.01,1426 1883.01,1426 1883.01,1448 1844.01,1487 1807.01,1487
  region net 3.3V: 1502.01,1810 1408.01,1810 1359.01,1761 1359.01,1500 1371.01,1488 1635.01,1488 1641.01,1494 1641.01,1671
  region net 5V: 879.01,1711 852.01,1684 852.01,1568 891.01,1529 1027.01,1529 1080.01,1476 1314.01,1476 1342.01,1504 1342.01,1592 1254.01,1680 1004.01,1680 973.01,1711
  region net 5V: 276.01,1778 277.01,1777 277.01,1671 607.01,1671 637.01,1714 637.01,1731 637.01,1845 567.01,1845 501.01,1779 442.01,1779
  pour cut-out: 852.01,1550 852.01,1809 1226.01,2183 1226.01,2424 1352.01,2504 1404.01,2504 2236.01,2504 2487.79,2252.22 2487.79,1635.78 2129.01,1277 950,1277 950,1183 2147.01,1183 2564.5,1600.49 2564.5,2307.5 2280,2592 1352.01,2592 1149.01,2451 1149.01,2198 815.01,1864 815.01,1550
Bottom Layer:
  pour cut-out: 2301,1331 2301,1047 2573,1047 2573,1331
  pour cut-out: 187,3726 187,3442 459,3442 459,3726
  pour cut-out: 949,1561.98 993,1561.98 993,1277 949,1277
  pour cut-out: 852.01,1560 852.01,1809 1226.01,2183 1226.01,2424 1353.01,2504 1404.01,2504 2236.01,2504 2487.79,2252.22 2487.79,1635.78 2129.01,1277 951,1277 951,1207 2171.01,1207 2565.5,1601.49 2565.5,2310.5 2281,2595 1353.01,2595 1149.01,2451 1149.01,2198 815.01,1864 815.01,1560

## Silkscreen, mask and mechanical layers (free items; w line width, h text height)
Top Overlay:
  text "5V" at 3450,3612 h65 r90
  text "5V" at 3015,3558 h65 r180
  text "5V" at 717,3552 h65 r180
  text "GND" at 3181,3537 h65 r90
  text "GND" at 888,3529 h65 r90
  text "GND" at 3384,3524 h65 r90
  text "12V" at 2298,3465 h100 r180
  text "12V" at 2731,3452 h100 r180
  text "PC8 DZ4" at 811,3442 h65 r90
  text "FOUR" at 1206,3442 h150 r180
  text "PB2 DIN3" at 3186,3435 h65
  text "PB10 DZ3" at 3108,3426 h65 r90
  text "5V" at 1231,3389 h65
  text "PB1 CS3" at 3186,3381 h65
  text "GND" at 1303,3374 h65
  text "12V" at 469,3328 h100 r270
  text "PB0 CLK3" at 3187,3317 h65
  text "PB14 CLK4" at 1700,3284 h65 r90
  text "PC6 DIN4" at 1534,3283 h65 r90
  text "PB15 CS4" at 1627,3275 h65 r90
  text "THREE" at 3163,3147 h150 r135
  text "12V" at 462,2844 h100 r270
  text "12V" at 3443,2837 h100 r90
  text "DT4_2" at 2087,2802 h60 r180
  text "DT4_1" at 2249,2801 h60 r180
  text "DT5_1" at 1184,2786 h60
  text "FOUR" at 2218,2728 h150 r180
  text "DT5_2" at 1183,2686 h60
  text "12V" at 3453,2623 h100 r90
  text "DT3_1" at 2740,2440 h60
  text "SWCLK" at 1917,2303 h50 r270
  text "GND" at 2191,2302 h50 r270
  text "SWDIO" at 1978,2300 h50 r270
  text "NRST" at 1739,2299 h50 r270
  text "1_TX" at 1796,2291 h50 r270
  text "1_RX" at 1862,2285 h50 r270
  text "THREE" at 2554,2212 h150 r90
  text "12V" at 3447,2197 h100 r90
  text "FIVW" at 894,2193 h150 r270
  text "PB3 CLK5" at 466,2125 h65
  text "PB4 CS5" at 473,2018 h65
  text "DT3_2" at 2738,1952 h60
  text "5V" at 3449,1929 h65 r90
  text "PB5 DIN5" at 486,1927 h65
  text "5V LED" at 900,1873 h60
  text "PA7 DZ2" at 3427,1846 h65
  text "GND" at 481,1816 h65
  text "3.3V LED" at 1499,1758 h60 r315
  text "GND" at 3511,1750 h65
  text "5V" at 472,1722 h65
  text "TWO" at 3345,1565 h150 r90
  text "5V" at 3493,1332 h65 r90
  text "GND" at 346,1313 h65
  text "PB6 DZ5" at 348,1231 h65
  text "GND" at 3475,1221 h65 r90
  text "5V" at 886,1195 h100
  text "PA6 DIN2" at 3349,1157 h65
  text "该吃药了" at 1398,1154 h150
  text "5V" at 355,1146 h65
  text "DT2_1" at 2837,1136 h60
  text "DT2_2" at 3023,1130 h60
  text "TWO" at 2641,1114 h150
  text "PA5 CS2" at 3341.59,1097.04 h65
  text "PA4 CLK2" at 3341,1031 h65
  text "DT1_1" at 632,1025 h60 r90
  text "DT1_2" at 857,1025 h60 r90
  text "别疯了" at 1397.67,1013.63 h150
  text "ONE" at 432,975 h120
  text "RCT6" at 1422,865 h150
  text "ONE" at 1898.34,670 h150
  text "GND" at 1828,598 h65 r90
  text "12V" at 3707,491 h150 r315
  text "PA0 DIN1" at 1651,467 h65 r90
  text "5V" at 1807,467 h65
  text "PC2 CLK1" at 1457,457 h65 r90
  text "PC3 CS1" at 1547,457 h65 r90
  text "12V" at 783,410 h100
  text "12V" at 3041,410 h100
  text "12V" at 2608,408 h100
  text "12V" at 321,403 h100
  text "5V" at 2342,361 h65
  text "GND" at 2215,347 h65 r90
  text "PA1 DZ1" at 2293,347 h65 r90
Top Solder:
  lines w50: 3183.01,3126 3279.01,3126 3399.01,3246 3399.01,3458 3479.01,3538 3507.01,3538
  lines w80: 1369.01,3581 1369.01,3488 1429.01,3428 1429.01,3072 ; 1730.01,429 1730.01,764.93 ; 3281.67,821.33 3403.67,821.33 3524.01,701 3524.01,403 3623.2,303.81 3629.74,303.81 ; 3364.67,821.33 3364.67,965.66
Bottom Solder:
  lines w70: 442,3217 708,3483 1046,3483 3093,3483 3322,3483 3416,3389
  lines w80: 229.01,1628 229.01,1851 229.01,2222.01 442,2435 442,3217 ; 3629.74,311.27 3629.74,303.81 3750.01,424.08 3750.01,1287
  lines w90: 79,3247 273,3247 ; 86,2799 272,2799 ; 363,81 363,216 ; 796,75 796,216 ; 2222,3672 2222,3859 ; 2665,80 2665,216 ; 2667,3672 2667,3862 ; 3075,71 3107,103 3107,196 ; 3681,2243 3862,2243 ; 3681,2682 3858,2682
  lines w110: 634,481 3297,481 3522,706 3522,3092 3303,3311 699,3311 575,3187 575,2199 575,1703 652.91,1625.09 921.03,1625.09 ; 918.91,1624 920,1625.09 ; 3075,71 236,71 77,230 77,3519 77,3780 159,3862 3728,3862 3869,3721 3869,261 3772.62,164.62 3768.94,164.62
  lines w120: 229.01,1628 428.76,1428.24 921.03,1428.24
Mechanical 1:
  the board outline again, w10